# Altium PCB Copy of Main.PcbDoc (part 5 of 6)
Units mm, origin at the board's own origin, x right, y up, seen from the top; angles counter-clockwise.
Board outline 181.65 x 83.38 mm, 6 copper layers (Top Layer, Signal 1, GND, VCC, Signal 2, Bottom Layer), stack 0.816 mm thick; 297 components, 263 nets, 1171 pads, 811 vias.
Unrouted connection lines stored in the file: 292.
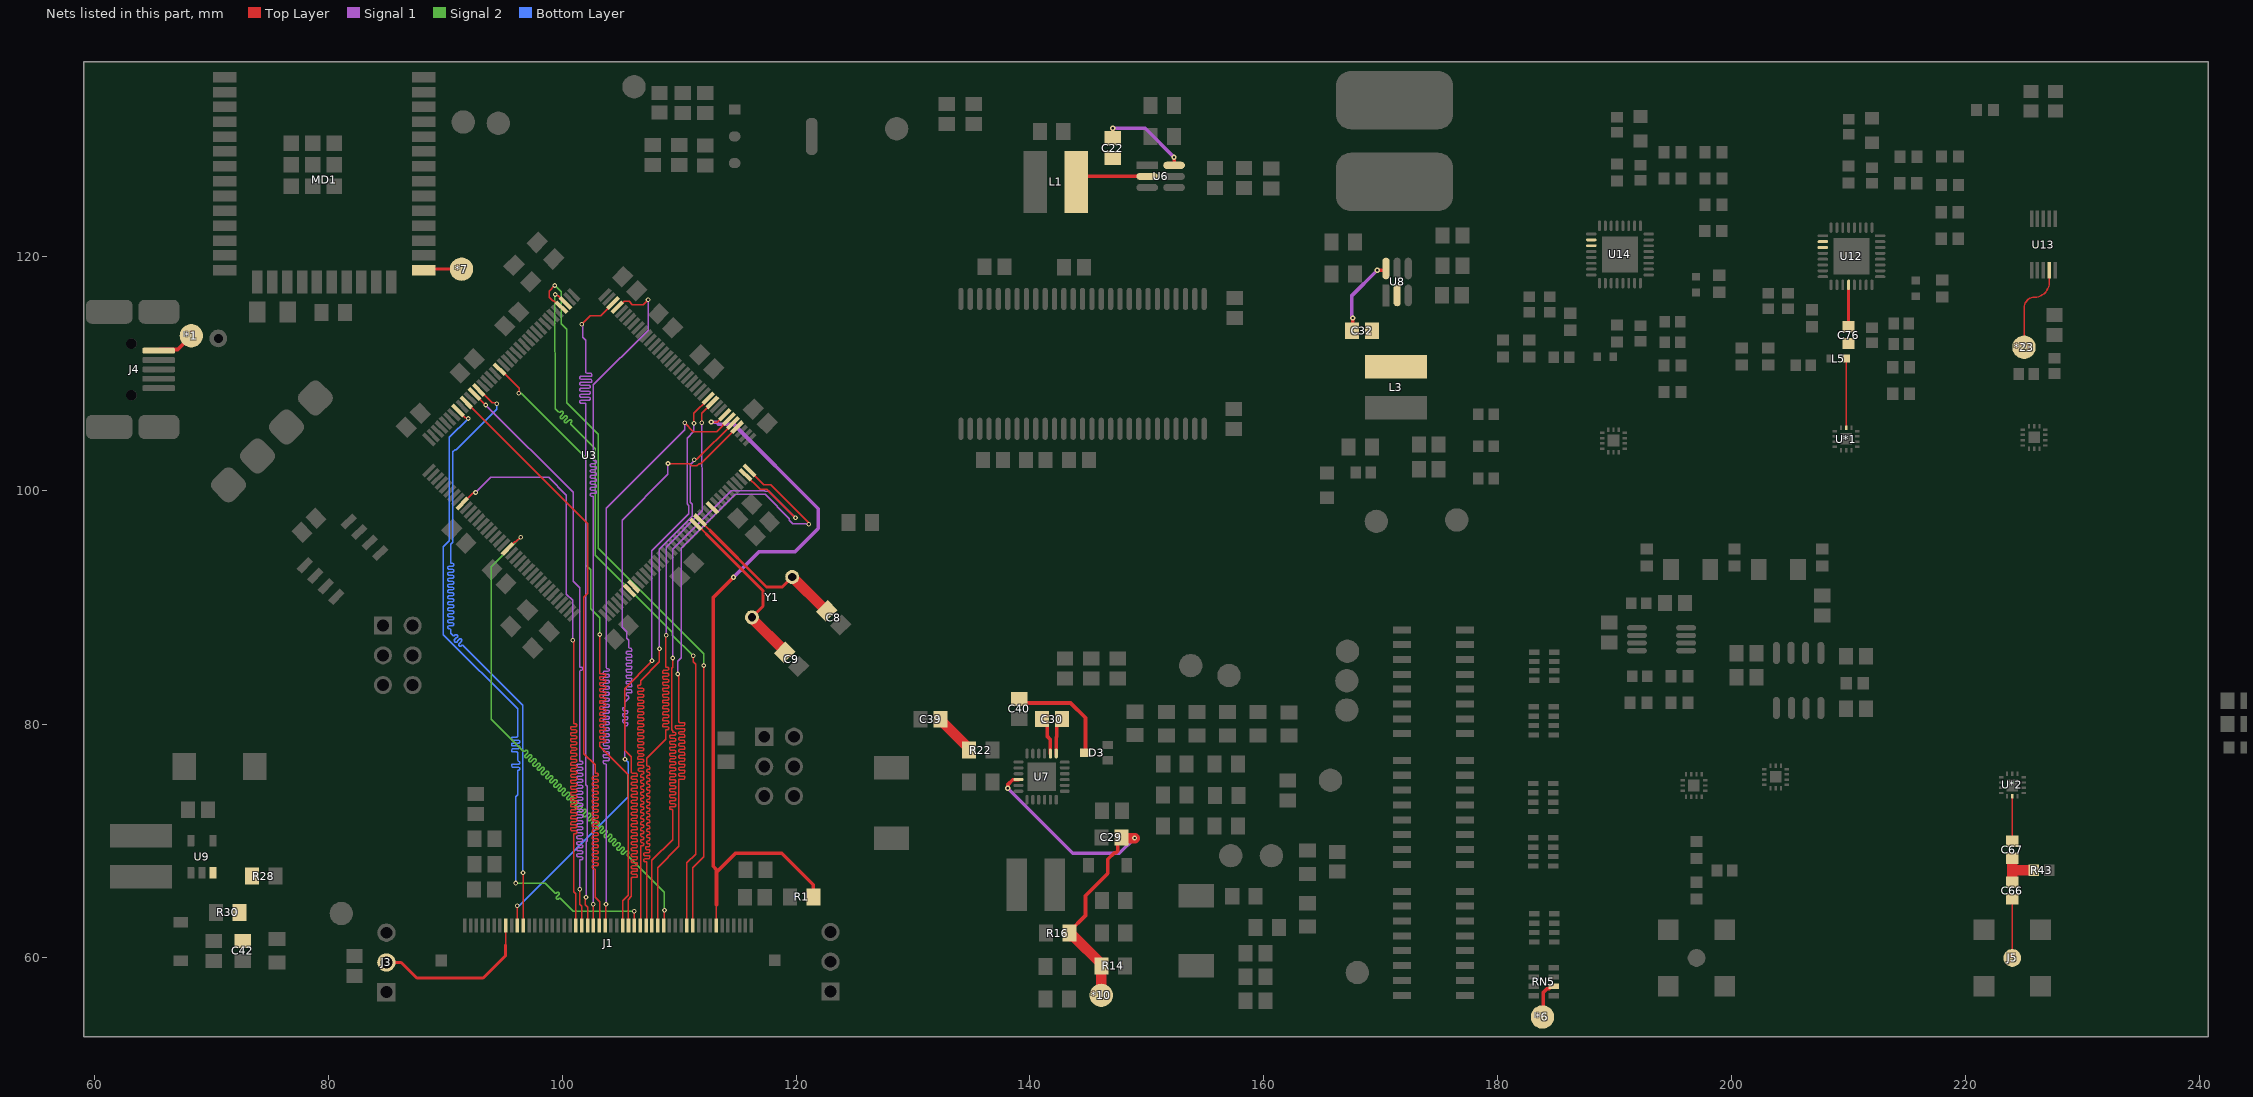
[diagram p8: the nets of this part, all layers, seen from the top]

## Via types
v1: diameter 0.8, hole 0.6, Top Layer to Bottom Layer, tented both sides, 397 vias
v2: diameter 0.45, hole 0.2, Top Layer to Bottom Layer, tented both sides, 228 vias
v3: diameter 0.4, hole 0.2, Top Layer to Bottom Layer, tented both sides, 138 vias
v4: diameter 0.45, hole 0.2, Top Layer to Bottom Layer, 25 vias
v5: diameter 0.5, hole 0.2, Top Layer to Bottom Layer, tented both sides, 23 vias

## Nets (pads, with @x,y where several pads share a name; then routed paths per layer and width w, separated by ;. In a path a pad name is that pad's centre, name@x,y a point inside that pad or via, vN(x,y) a via of type N, cw(c..) or ccw(c..) an arc to the next point about the centre after c; other vN are vias at no path point) (continued)
LCD_G2: J1.25 U3.42 | length 64.2
  Top Layer w0.127: J1.25@103.675,62.775 103.715,62.815 103.715,64.563 v3(103.755,64.603) ; v3(110.475,105.75) 111.225,105 113.2,105 114.257,106.057 U3.42@114.257,106.094
  Signal 1 w0.127: v3(103.755,64.603) 103.755,76.445 103.755,76.556 103.692,76.62 103.565,76.62 103.501,76.683 103.501,76.81 103.565,76.874 103.755,76.874 103.946,76.874 104.009,76.937 104.009,77.064 103.946,77.128 103.755,77.128 103.565,77.128 103.501,77.191 103.501,77.318 103.565,77.382 103.755,77.382 103.946,77.382 104.009,77.445 104.009,77.572 103.946,77.636 103.755,77.636 103.565,77.636 103.501,77.699 103.501,77.826 103.565,77.89 103.755,77.89 103.946,77.89 104.009,77.953 104.009,78.08 103.946,78.144 103.755,78.144 103.565,78.144 103.501,78.207 103.501,78.334 103.565,78.398 103.755,78.398 103.946,78.398 104.009,78.461 104.009,78.588 103.946,78.652 103.755,78.652 103.565,78.652 103.501,78.715 103.501,78.842 103.565,78.906 103.755,78.906 103.946,78.906 104.009,78.969 104.009,79.096 103.946,79.16 103.755,79.16 103.565,79.16 103.501,79.223 103.501,79.35 103.565,79.414 103.755,79.414 103.946,79.414 104.009,79.477 104.009,79.604 103.946,79.668 103.755,79.668 103.565,79.668 103.501,79.731 103.501,79.858 103.565,79.922 103.755,79.922 103.946,79.922 104.009,79.985 104.009,80.112 103.946,80.176 103.755,80.176 103.565,80.176 103.501,80.239 103.501,80.366 103.565,80.43 103.755,80.43 103.946,80.43 104.009,80.493 104.009,80.62 103.946,80.684 103.755,80.684 103.565,80.684 103.501,80.747 103.501,80.874 103.565,80.938 103.755,80.938 103.946,80.938 104.009,81.001 104.009,81.128 103.946,81.192 103.755,81.192 103.565,81.192 103.501,81.255 103.501,81.382 103.565,81.446 103.755,81.446 103.946,81.446 104.009,81.509 104.009,81.636 103.946,81.7 103.755,81.7 103.565,81.7 103.501,81.763 103.501,81.89 103.565,81.954 103.755,81.954 103.946,81.954 104.009,82.017 104.009,82.144 103.946,82.208 103.755,82.208 103.565,82.208 103.501,82.271 103.501,82.398 103.565,82.462 103.755,82.462 103.946,82.462 104.009,82.525 104.009,82.652 103.946,82.716 103.755,82.716 103.565,82.716 103.501,82.779 103.501,82.906 103.565,82.97 103.755,82.97 103.946,82.97 104.009,83.033 104.009,83.16 103.946,83.224 103.755,83.224 103.565,83.224 103.501,83.287 103.501,83.414 103.565,83.478 103.755,83.478 103.946,83.478 104.009,83.541 104.009,83.668 103.946,83.732 103.755,83.732 103.565,83.732 103.501,83.795 103.501,83.922 103.565,83.986 103.755,83.986 103.946,83.986 104.009,84.049 104.009,84.176 103.946,84.24 103.755,84.24 103.565,84.24 103.501,84.303 103.501,84.43 103.565,84.494 103.755,84.494 103.946,84.494 104.009,84.557 104.009,84.684 103.946,84.748 103.819,84.748 103.755,84.811 103.755,84.875 103.755,98.43 110.475,105.15 v3(110.475,105.75)
LCD_G3: J1.24 U3.99 | length 63.5
  Top Layer w0.127: U3.99@91.807,107.508 102.173,97.141 102.173,91.165 101.864,90.855 101.864,77.47 102.825,76.508 102.825,75.9 102.825,75.837 102.888,75.773 103.016,75.773 103.079,75.71 103.079,75.583 103.016,75.519 102.825,75.519 102.634,75.519 102.571,75.456 102.571,75.329 102.634,75.265 102.825,75.265 103.016,75.265 103.079,75.202 103.079,75.075 103.016,75.011 102.825,75.011 102.634,75.011 102.571,74.948 102.571,74.821 102.634,74.757 102.825,74.757 103.016,74.757 103.079,74.694 103.079,74.567 103.016,74.503 102.825,74.503 102.634,74.503 102.571,74.44 102.571,74.313 102.634,74.249 102.825,74.249 103.016,74.249 103.079,74.186 103.079,74.059 103.016,73.995 102.825,73.995 102.634,73.995 102.571,73.932 102.571,73.805 102.634,73.741 102.825,73.741 103.016,73.741 103.079,73.678 103.079,73.551 103.016,73.487 102.825,73.487 102.634,73.487 102.571,73.424 102.571,73.297 102.634,73.233 102.825,73.233 103.016,73.233 103.079,73.17 103.079,73.043 103.016,72.979 102.825,72.979 102.634,72.979 102.571,72.916 102.571,72.789 102.634,72.725 102.825,72.725 103.016,72.725 103.079,72.662 103.079,72.535 103.016,72.471 102.825,72.471 102.634,72.471 102.571,72.408 102.571,72.281 102.634,72.217 102.825,72.217 103.016,72.217 103.079,72.154 103.079,72.027 103.016,71.963 102.825,71.963 102.634,71.963 102.571,71.9 102.571,71.773 102.634,71.709 102.825,71.709 103.016,71.709 103.079,71.646 103.079,71.519 103.016,71.455 102.825,71.455 102.634,71.455 102.571,71.392 102.571,71.265 102.634,71.201 102.825,71.201 103.016,71.201 103.079,71.138 103.079,71.011 103.016,70.947 102.825,70.947 102.634,70.947 102.571,70.884 102.571,70.757 102.634,70.693 102.825,70.693 103.016,70.693 103.079,70.63 103.079,70.503 103.016,70.439 102.825,70.439 102.634,70.439 102.571,70.376 102.571,70.249 102.634,70.185 102.825,70.185 103.016,70.185 103.079,70.122 103.079,69.995 103.016,69.931 102.825,69.931 102.634,69.931 102.571,69.868 102.571,69.741 102.634,69.677 102.825,69.677 103.016,69.677 103.079,69.614 103.079,69.487 103.016,69.423 102.825,69.423 102.634,69.423 102.571,69.36 102.571,69.233 102.634,69.169 102.825,69.169 103.016,69.169 103.079,69.106 103.079,68.979 103.016,68.915 102.825,68.915 102.634,68.915 102.571,68.852 102.571,68.725 102.634,68.661 102.825,68.661 103.016,68.661 103.079,68.598 103.079,68.471 103.016,68.407 102.825,68.407 102.634,68.407 102.571,68.344 102.571,68.217 102.634,68.153 102.825,68.153 103.016,68.153 103.079,68.09 103.079,67.963 103.016,67.899 102.825,67.899 102.634,67.899 102.571,67.836 102.571,67.709 102.634,67.645 102.761,67.645 102.825,67.582 102.825,67.5 102.825,65.182 103.217,64.789 103.217,62.817 J1.24@103.175,62.775
LCD_G4: J1.23 U3.69 | length 63.7
  Top Layer w0.127: J1.23@102.675,62.775 v3(102.673,64.583) ; U3.69@104.711,115.64 104.798,115.64 105.309,116.151 105.72,116.151 106.004,115.866 106.941,115.866 v3(107.35,116.275)
  Signal 1 w0.127: v3(102.673,64.583) 102.673,99.45 102.647,99.477 102.483,99.477 102.419,99.54 102.419,99.667 102.483,99.731 102.673,99.731 102.864,99.731 102.927,99.794 102.927,99.921 102.864,99.985 102.673,99.985 102.483,99.985 102.419,100.048 102.419,100.175 102.483,100.239 102.673,100.239 102.864,100.239 102.927,100.302 102.927,100.429 102.864,100.493 102.673,100.493 102.483,100.493 102.419,100.556 102.419,100.683 102.483,100.747 102.673,100.747 102.864,100.747 102.927,100.81 102.927,100.937 102.864,101.001 102.673,101.001 102.483,101.001 102.419,101.064 102.419,101.191 102.483,101.255 102.673,101.255 102.864,101.255 102.927,101.318 102.927,101.445 102.864,101.509 102.673,101.509 102.483,101.509 102.419,101.572 102.419,101.699 102.483,101.763 102.673,101.763 102.864,101.763 102.927,101.826 102.927,101.953 102.864,102.017 102.673,102.017 102.483,102.017 102.419,102.08 102.419,102.207 102.483,102.271 102.673,102.271 102.864,102.271 102.927,102.334 102.927,102.461 102.864,102.525 102.737,102.525 102.673,102.588 102.673,102.652 102.673,108.998 107.35,113.675 v3(107.35,116.275)
LCD_G5: J1.22 U3.70 | length 63.7
  Top Layer w0.127: v3(101.68,114.181) 102.418,114.918 103.283,114.918 U3.70@104.358,115.993 ; v3(102.044,65.189) 101.992,65.137 101.992,64.807 101.983,64.797 101.983,64.542 102.183,64.342 102.183,62.782 J1.22@102.175,62.775
  Signal 1 w0.127: v3(101.68,114.181) 101.758,114.103 101.758,113.092 102.025,112.825 102.025,110.106 102.025,110.043 102.089,109.979 102.47,109.979 102.533,109.916 102.533,109.789 102.47,109.725 102.025,109.725 101.581,109.725 101.517,109.662 101.517,109.535 101.581,109.471 102.025,109.471 102.47,109.471 102.533,109.408 102.533,109.281 102.47,109.217 102.025,109.217 101.581,109.217 101.517,109.154 101.517,109.027 101.581,108.963 102.025,108.963 102.333,108.963 102.396,108.9 102.396,108.773 102.333,108.709 102.025,108.709 101.581,108.709 101.517,108.646 101.517,108.519 101.581,108.455 102.025,108.455 102.333,108.455 102.396,108.392 102.396,108.265 102.333,108.201 102.025,108.201 101.581,108.201 101.517,108.138 101.517,108.011 101.581,107.947 102.025,107.947 102.333,107.947 102.396,107.884 102.396,107.757 102.333,107.693 102.025,107.693 101.581,107.693 101.517,107.63 101.517,107.503 101.581,107.439 101.962,107.439 102.025,107.376 102.025,107.3 102.025,74.8 102.15,74.675 102.15,70.022 102.044,69.916 v3(102.044,65.189) v3@102.025,65.208
LCD_G6: J1.21 U3.97 | length 63.4
  Top Layer w0.127: U3.97@92.514,108.215 93.454,107.275 v3(93.475,107.275) ; v3(101.505,65.878) 101.505,64.585 101.675,64.414 J1.21@101.675,62.775
  Signal 1 w0.127: v3(93.475,107.275) 100.95,99.8 100.95,92.216 101.505,91.661 101.505,84.975 101.505,84.911 101.568,84.848 101.685,84.848 101.748,84.784 101.748,84.657 101.685,84.594 101.568,84.594 101.505,84.53 101.505,84.525 101.505,76.925 101.505,76.861 101.568,76.798 101.685,76.798 101.748,76.734 101.748,76.607 101.685,76.544 101.505,76.544 101.314,76.544 101.251,76.48 101.251,76.353 101.314,76.29 101.505,76.29 101.685,76.29 101.748,76.226 101.748,76.099 101.685,76.036 101.505,76.036 101.314,76.036 101.251,75.972 101.251,75.845 101.314,75.782 101.505,75.782 101.685,75.782 101.748,75.718 101.748,75.591 101.685,75.528 101.505,75.528 101.314,75.528 101.251,75.464 101.251,75.337 101.314,75.274 101.505,75.274 101.685,75.274 101.748,75.21 101.748,75.083 101.685,75.02 101.505,75.02 101.314,75.02 101.251,74.956 101.251,74.829 101.314,74.766 101.505,74.766 101.685,74.766 101.748,74.702 101.748,74.575 101.685,74.512 101.505,74.512 101.314,74.512 101.251,74.448 101.251,74.321 101.314,74.258 101.505,74.258 101.685,74.258 101.748,74.194 101.748,74.067 101.685,74.004 101.505,74.004 101.314,74.004 101.251,73.94 101.251,73.813 101.314,73.75 101.505,73.75 101.685,73.75 101.748,73.686 101.748,73.559 101.685,73.496 101.505,73.496 101.314,73.496 101.251,73.432 101.251,73.305 101.314,73.242 101.505,73.242 101.685,73.242 101.748,73.178 101.748,73.051 101.685,72.988 101.505,72.988 101.314,72.988 101.251,72.924 101.251,72.797 101.314,72.734 101.505,72.734 101.685,72.734 101.748,72.67 101.748,72.543 101.685,72.48 101.505,72.48 101.314,72.48 101.251,72.416 101.251,72.289 101.314,72.226 101.505,72.226 101.685,72.226 101.748,72.162 101.748,72.035 101.685,71.972 101.505,71.972 101.314,71.972 101.251,71.908 101.251,71.781 101.314,71.718 101.505,71.718 101.685,71.718 101.748,71.654 101.748,71.527 101.685,71.464 101.505,71.464 101.314,71.464 101.251,71.4 101.251,71.273 101.314,71.21 101.505,71.21 101.685,71.21 101.748,71.146 101.748,71.019 101.685,70.956 101.505,70.956 101.314,70.956 101.251,70.892 101.251,70.765 101.314,70.702 101.505,70.702 101.685,70.702 101.748,70.638 101.748,70.511 101.685,70.448 101.505,70.448 101.314,70.448 101.251,70.384 101.251,70.257 101.314,70.194 101.505,70.194 101.685,70.194 101.748,70.13 101.748,70.003 101.685,69.94 101.505,69.94 101.314,69.94 101.251,69.876 101.251,69.749 101.314,69.686 101.505,69.686 101.685,69.686 101.748,69.622 101.748,69.495 101.685,69.432 101.505,69.432 101.314,69.432 101.251,69.368 101.251,69.241 101.314,69.178 101.505,69.178 101.685,69.178 101.748,69.114 101.748,68.987 101.685,68.924 101.505,68.924 101.314,68.924 101.251,68.86 101.251,68.733 101.314,68.67 101.505,68.67 101.685,68.67 101.748,68.606 101.748,68.479 101.685,68.416 101.568,68.416 101.505,68.352 101.505,68.275 v3(101.505,65.878)
LCD_G7: J1.20 U3.117 | length 63.7
  Top Layer w0.127: U3.117@91.453,98.846 92.355,99.748 92.548,99.748 v3(92.6,99.8) ; v3(100.9,87.175) 100.925,87.175 101.025,87.075 100.987,87.037 100.987,80.15 100.987,80.086 101.051,80.023 101.178,80.023 101.241,79.959 101.241,79.832 101.178,79.769 100.987,79.769 100.797,79.769 100.733,79.705 100.733,79.578 100.797,79.515 100.987,79.515 101.178,79.515 101.241,79.451 101.241,79.324 101.178,79.261 100.987,79.261 100.797,79.261 100.733,79.197 100.733,79.07 100.797,79.007 100.987,79.007 101.178,79.007 101.241,78.943 101.241,78.816 101.178,78.753 100.987,78.753 100.797,78.753 100.733,78.689 100.733,78.562 100.797,78.499 100.987,78.499 101.178,78.499 101.241,78.435 101.241,78.308 101.178,78.245 100.987,78.245 100.797,78.245 100.733,78.181 100.733,78.054 100.797,77.991 100.987,77.991 101.178,77.991 101.241,77.927 101.241,77.8 101.178,77.737 100.987,77.737 100.797,77.737 100.733,77.673 100.733,77.546 100.797,77.483 100.987,77.483 101.178,77.483 101.241,77.419 101.241,77.292 101.178,77.229 100.987,77.229 100.797,77.229 100.733,77.165 100.733,77.038 100.797,76.975 100.987,76.975 101.178,76.975 101.241,76.911 101.241,76.784 101.178,76.721 100.987,76.721 100.797,76.721 100.733,76.657 100.733,76.53 100.797,76.467 100.987,76.467 101.178,76.467 101.241,76.403 101.241,76.276 101.178,76.213 100.987,76.213 100.797,76.213 100.733,76.149 100.733,76.022 100.797,75.959 100.987,75.959 101.178,75.959 101.241,75.895 101.241,75.768 101.178,75.705 100.987,75.705 100.797,75.705 100.733,75.641 100.733,75.514 100.797,75.451 100.987,75.451 101.178,75.451 101.241,75.387 101.241,75.26 101.178,75.197 100.987,75.197 100.797,75.197 100.733,75.133 100.733,75.006 100.797,74.943 100.987,74.943 101.178,74.943 101.241,74.879 101.241,74.752 101.178,74.689 100.987,74.689 100.797,74.689 100.733,74.625 100.733,74.498 100.797,74.435 100.987,74.435 101.178,74.435 101.241,74.371 101.241,74.244 101.178,74.181 100.987,74.181 100.797,74.181 100.733,74.117 100.733,73.99 100.797,73.927 100.987,73.927 101.178,73.927 101.241,73.863 101.241,73.736 101.178,73.673 100.987,73.673 100.797,73.673 100.733,73.609 100.733,73.482 100.797,73.419 100.987,73.419 101.178,73.419 101.241,73.355 101.241,73.228 101.178,73.165 100.987,73.165 100.797,73.165 100.733,73.101 100.733,72.974 100.797,72.911 100.987,72.911 101.178,72.911 101.241,72.847 101.241,72.72 101.178,72.657 100.987,72.657 100.797,72.657 100.733,72.593 100.733,72.466 100.797,72.403 100.987,72.403 101.178,72.403 101.241,72.339 101.241,72.212 101.178,72.149 100.987,72.149 100.797,72.149 100.733,72.085 100.733,71.958 100.797,71.895 100.987,71.895 101.178,71.895 101.241,71.831 101.241,71.704 101.178,71.641 100.987,71.641 100.797,71.641 100.733,71.577 100.733,71.45 100.797,71.387 100.987,71.387 101.178,71.387 101.241,71.323 101.241,71.196 101.178,71.133 100.987,71.133 100.797,71.133 100.733,71.069 100.733,70.942 100.797,70.879 100.987,70.879 101.178,70.879 101.241,70.815 101.241,70.688 101.178,70.625 101.012,70.625 100.987,70.6 100.987,65.664 101.175,65.476 J1.20@101.175,62.775
  Signal 1 w0.127: v3(92.6,99.8) 93.9,101.1 98.85,101.1 100.368,99.582 100.368,91.107 100.9,90.575 v3(100.9,87.175)
LCD_HS: J1.11 U3.96 | length 62
  Top Layer w0.127: U3.96@92.867,108.568 92.913,108.568 94.03,107.452 94.348,107.452 v3(94.4,107.4) ; v3(96.65,67.275) 96.668,67.257 96.668,62.782 J1.11@96.675,62.775
  Bottom Layer w0.127: v3(94.4,107.4) 94.4,106.918 90.95,103.468 90.843,103.468 90.644,103.27 90.644,95.561 90.475,95.391 90.475,93.875 90.475,93.811 90.539,93.748 90.666,93.748 90.729,93.684 90.729,93.557 90.666,93.494 90.475,93.494 90.284,93.494 90.221,93.43 90.221,93.303 90.284,93.24 90.475,93.24 90.666,93.24 90.729,93.176 90.729,93.049 90.666,92.986 90.475,92.986 90.284,92.986 90.221,92.922 90.221,92.795 90.284,92.732 90.475,92.732 90.666,92.732 90.729,92.668 90.729,92.541 90.666,92.478 90.475,92.478 90.284,92.478 90.221,92.414 90.221,92.287 90.284,92.224 90.475,92.224 90.666,92.224 90.729,92.16 90.729,92.033 90.666,91.97 90.475,91.97 90.284,91.97 90.221,91.906 90.221,91.779 90.284,91.716 90.475,91.716 90.666,91.716 90.729,91.652 90.729,91.525 90.666,91.462 90.475,91.462 90.284,91.462 90.221,91.398 90.221,91.271 90.284,91.208 90.475,91.208 90.666,91.208 90.729,91.144 90.729,91.017 90.666,90.954 90.475,90.954 90.284,90.954 90.221,90.89 90.221,90.763 90.284,90.7 90.475,90.7 90.666,90.7 90.729,90.636 90.729,90.509 90.666,90.446 90.475,90.446 90.284,90.446 90.221,90.382 90.221,90.255 90.284,90.192 90.475,90.192 90.666,90.192 90.729,90.128 90.729,90.001 90.666,89.938 90.475,89.938 90.284,89.938 90.221,89.874 90.221,89.747 90.284,89.684 90.475,89.684 90.666,89.684 90.729,89.62 90.729,89.493 90.666,89.43 90.475,89.43 90.284,89.43 90.221,89.366 90.221,89.239 90.284,89.176 90.475,89.176 90.666,89.176 90.729,89.112 90.729,88.985 90.666,88.922 90.475,88.922 90.284,88.922 90.221,88.858 90.221,88.731 90.284,88.668 90.475,88.668 90.666,88.668 90.729,88.604 90.729,88.477 90.666,88.414 90.475,88.414 90.284,88.414 90.221,88.35 90.221,88.223 90.284,88.16 90.412,88.16 90.475,88.096 90.475,87.906 90.475,87.775 90.565,87.685 90.7,87.55 90.789,87.55 90.879,87.64 90.969,87.64 91.059,87.55 91.059,87.461 90.924,87.326 90.789,87.191 90.789,87.101 90.879,87.012 90.969,87.012 91.104,87.146 91.238,87.281 91.328,87.281 91.418,87.191 91.418,87.101 91.283,86.967 91.149,86.832 91.149,86.742 91.238,86.652 91.328,86.652 91.418,86.742 91.508,86.742 91.6,86.65 96.65,81.6 v3(96.65,67.275)
LCD_L/R: J1.39 U3.75 | length 62.6
  Top Layer w0.127: v3(99.4,116.725) 99.474,116.725 99.594,116.605 99.68,116.605 U3.75@100.292,115.993 ; J1.39@110.675,62.775 110.675,68.125 111.431,68.881 111.431,85.101 111.2,85.332 v3(111.2,85.825)
  Signal 2 w0.127: v3(99.4,116.725) 99.362,116.687 99.362,111.828 99.425,111.766 99.425,106.95 99.687,106.688 99.732,106.643 99.822,106.643 99.912,106.732 100.002,106.732 100.092,106.643 100.092,106.553 99.957,106.418 99.822,106.283 99.822,106.194 99.912,106.104 100.002,106.104 100.137,106.238 100.271,106.373 100.361,106.373 100.451,106.283 100.451,106.194 100.316,106.059 100.181,105.924 100.181,105.834 100.271,105.745 100.361,105.745 100.496,105.879 100.63,106.014 100.72,106.014 100.81,105.924 100.81,105.834 100.72,105.745 100.72,105.655 100.725,105.65 102.825,103.55 102.825,94.425 109.418,87.832 109.418,87.608 v3(111.2,85.825)
LCD_MODE: J1.8 J3.2 | length 14.1
  Top Layer w0.127: 95.175,61.1 J1.8@95.175,62.775
  Top Layer w0.254: J3.2@84.975,59.615 86.235,59.615 87.575,58.275 93.25,58.275 95.175,60.2 95.175,61.1
LCD_R0: J1.35 U3.128 | length 63.1
  Top Layer w0.127: U3.128@95.342,94.957 95.954,95.569 96.044,95.569 v3(96.45,95.975) ; J1.35@108.675,62.775 108.713,62.812 108.713,64.038 v3(108.75,64.075)
  Signal 2 w0.127: v3(96.45,95.975) 93.932,93.457 93.932,80.417 96.65,77.7 96.695,77.655 96.785,77.655 96.875,77.745 96.964,77.745 97.054,77.655 97.054,77.565 96.919,77.431 96.785,77.296 96.785,77.206 96.875,77.116 96.964,77.116 97.099,77.251 97.234,77.386 97.324,77.386 97.413,77.296 97.413,77.206 97.279,77.071 97.144,76.937 97.144,76.847 97.234,76.757 97.324,76.757 97.458,76.892 97.593,77.026 97.683,77.026 97.773,76.937 97.773,76.847 97.638,76.712 97.503,76.577 97.503,76.488 97.593,76.398 97.683,76.398 97.817,76.533 97.952,76.667 98.042,76.667 98.132,76.577 98.132,76.488 97.997,76.353 97.862,76.218 97.862,76.128 97.952,76.039 98.042,76.039 98.177,76.173 98.311,76.308 98.401,76.308 98.491,76.218 98.491,76.128 98.356,75.994 98.222,75.859 98.222,75.769 98.311,75.679 98.401,75.679 98.536,75.814 98.671,75.949 98.76,75.949 98.85,75.859 98.85,75.769 98.715,75.635 98.581,75.5 98.581,75.41 98.671,75.32 98.76,75.32 98.895,75.455 99.03,75.59 99.12,75.59 99.209,75.5 99.209,75.41 99.075,75.275 98.94,75.141 98.94,75.051 99.03,74.961 99.12,74.961 99.254,75.096 99.389,75.23 99.479,75.23 99.569,75.141 99.569,75.051 99.434,74.916 99.299,74.781 99.299,74.692 99.389,74.602 99.479,74.602 99.613,74.737 99.748,74.871 99.838,74.871 99.928,74.781 99.928,74.692 99.793,74.557 99.658,74.422 99.658,74.332 99.748,74.243 99.838,74.243 99.973,74.377 100.107,74.512 100.197,74.512 100.287,74.422 100.287,74.332 100.152,74.198 100.018,74.063 100.018,73.973 100.107,73.883 100.197,73.883 100.332,74.018 100.467,74.153 100.556,74.153 100.646,74.063 100.646,73.973 100.512,73.838 100.377,73.704 100.377,73.614 100.467,73.524 100.556,73.524 100.691,73.659 100.826,73.794 100.916,73.794 101.005,73.704 101.005,73.614 100.871,73.479 100.736,73.345 100.736,73.255 100.826,73.165 100.916,73.165 101.05,73.3 101.185,73.434 101.275,73.434 101.365,73.345 101.365,73.255 101.23,73.12 101.095,72.985 101.095,72.896 101.185,72.806 101.275,72.806 101.41,72.94 101.544,73.075 101.634,73.075 101.724,72.985 101.724,72.896 101.589,72.761 101.454,72.626 101.454,72.536 101.544,72.447 101.634,72.447 101.769,72.581 101.903,72.716 101.993,72.716 102.083,72.626 102.083,72.536 101.948,72.402 101.814,72.267 101.814,72.177 101.903,72.087 101.993,72.087 102.128,72.222 102.263,72.357 102.352,72.357 102.442,72.267 102.442,72.177 102.308,72.042 102.173,71.908 102.173,71.818 102.263,71.728 102.352,71.728 102.487,71.863 102.622,71.998 102.712,71.998 102.801,71.908 102.801,71.818 102.667,71.683 102.532,71.549 102.532,71.459 102.622,71.369 102.712,71.369 102.846,71.504 102.981,71.638 103.071,71.638 103.161,71.549 103.161,71.459 103.026,71.324 102.891,71.189 102.891,71.1 102.981,71.01 103.071,71.01 103.206,71.144 103.34,71.279 103.43,71.279 103.52,71.189 103.52,71.1 103.385,70.965 103.25,70.83 103.25,70.74 103.34,70.65 103.43,70.65 103.565,70.785 103.7,70.92 103.789,70.92 103.879,70.83 103.879,70.74 103.744,70.606 103.61,70.471 103.61,70.381 103.699,70.291 103.789,70.291 103.924,70.426 104.059,70.561 104.149,70.561 104.238,70.471 104.238,70.381 104.104,70.246 103.969,70.112 103.969,70.022 104.059,69.932 104.149,69.932 104.283,70.067 104.418,70.201 104.508,70.201 104.598,70.112 104.598,70.022 104.463,69.887 104.328,69.752 104.328,69.663 104.418,69.573 104.508,69.573 104.642,69.708 104.777,69.842 104.867,69.842 104.957,69.752 104.957,69.663 104.822,69.528 104.687,69.393 104.687,69.303 104.777,69.214 104.867,69.214 105.002,69.348 105.136,69.483 105.226,69.483 105.316,69.393 105.316,69.303 105.181,69.169 105.047,69.034 105.047,68.944 105.136,68.854 105.226,68.854 105.361,68.989 105.496,69.124 105.585,69.124 105.675,69.034 105.675,68.944 105.585,68.854 105.585,68.765 105.648,68.702 108.75,65.6 v3(108.75,64.075)
LCD_R1: J1.34 U3.36 | length 63.5
  Top Layer w0.127: J1.34@108.175,62.775 108.175,67.725 109.981,69.531 109.981,75.275 110.003,75.297 110.426,75.297 110.489,75.36 110.489,75.487 110.426,75.551 110.045,75.551 109.981,75.614 109.981,75.741 110.045,75.805 110.426,75.805 110.489,75.868 110.489,75.995 110.426,76.059 110.045,76.059 109.981,76.122 109.981,76.249 110.045,76.313 110.426,76.313 110.489,76.376 110.489,76.503 110.426,76.567 110.045,76.567 109.981,76.63 109.981,76.757 110.045,76.821 110.426,76.821 110.489,76.884 110.489,77.011 110.426,77.075 110.045,77.075 109.981,77.138 109.981,77.265 110.045,77.329 110.426,77.329 110.489,77.392 110.489,77.519 110.426,77.583 110.045,77.583 109.981,77.646 109.981,77.773 110.045,77.837 110.426,77.837 110.489,77.9 110.489,78.027 110.426,78.091 110.045,78.091 109.981,78.154 109.981,78.281 110.045,78.345 110.426,78.345 110.489,78.408 110.489,78.535 110.426,78.599 110.045,78.599 109.981,78.662 109.981,78.789 110.045,78.853 110.426,78.853 110.489,78.916 110.489,79.043 110.426,79.107 110.045,79.107 109.981,79.17 109.981,79.297 110.045,79.361 110.426,79.361 110.489,79.424 110.489,79.551 110.426,79.615 109.981,79.615 109.723,79.615 109.659,79.678 109.659,79.805 109.723,79.869 109.981,79.869 110.426,79.869 110.489,79.932 110.489,80.059 110.426,80.123 110.045,80.123 109.981,80.186 109.981,80.25 109.981,84.194 v3(109.9,84.275) ; U3.36@116.025,101.674 117.224,100.475 117.832,100.475 121.048,97.259 121.048,97.127 v3(121.1,97.075)
  Signal 1 w0.127: v3(109.9,84.275) 109.9,85.368 110.182,85.651 110.182,95.039 114.79,99.647 117.349,99.647 119.432,97.564 119.432,97.411 119.736,97.107 121.067,97.107 v3(121.1,97.075)
LCD_R2: J1.33 U3.35 | length 63.5
  Top Layer w0.127: J1.33@107.675,62.775 107.675,68.351 109.45,70.126 109.45,72.5 109.45,72.63 109.386,72.694 109.259,72.694 109.196,72.757 109.196,72.884 109.259,72.948 109.45,72.948 109.641,72.948 109.704,73.011 109.704,73.138 109.641,73.202 109.45,73.202 109.259,73.202 109.196,73.265 109.196,73.392 109.259,73.456 109.45,73.456 109.641,73.456 109.704,73.519 109.704,73.646 109.641,73.71 109.45,73.71 109.259,73.71 109.196,73.773 109.196,73.9 109.259,73.964 109.45,73.964 109.641,73.964 109.704,74.027 109.704,74.154 109.641,74.218 109.45,74.218 109.259,74.218 109.196,74.281 109.196,74.408 109.259,74.472 109.45,74.472 109.641,74.472 109.704,74.535 109.704,74.662 109.641,74.726 109.45,74.726 109.259,74.726 109.196,74.789 109.196,74.916 109.259,74.98 109.45,74.98 109.641,74.98 109.704,75.043 109.704,75.17 109.641,75.234 109.45,75.234 109.259,75.234 109.196,75.297 109.196,75.424 109.259,75.488 109.45,75.488 109.641,75.488 109.704,75.551 109.704,75.678 109.641,75.742 109.45,75.742 109.259,75.742 109.196,75.805 109.196,75.932 109.259,75.996 109.45,75.996 109.641,75.996 109.704,76.059 109.704,76.186 109.641,76.25 109.45,76.25 109.259,76.25 109.196,76.313 109.196,76.44 109.259,76.504 109.45,76.504 109.641,76.504 109.704,76.567 109.704,76.694 109.641,76.758 109.45,76.758 109.259,76.758 109.196,76.821 109.196,76.948 109.259,77.012 109.45,77.012 109.641,77.012 109.704,77.075 109.704,77.202 109.641,77.266 109.45,77.266 109.259,77.266 109.196,77.329 109.196,77.456 109.259,77.52 109.45,77.52 109.641,77.52 109.704,77.583 109.704,77.71 109.641,77.774 109.45,77.774 109.259,77.774 109.196,77.837 109.196,77.964 109.259,78.028 109.45,78.028 109.641,78.028 109.704,78.091 109.704,78.218 109.641,78.282 109.45,78.282 109.259,78.282 109.196,78.345 109.196,78.472 109.259,78.536 109.45,78.536 109.641,78.536 109.704,78.599 109.704,78.726 109.641,78.79 109.45,78.79 109.259,78.79 109.196,78.853 109.196,78.98 109.259,79.044 109.45,79.044 109.641,79.044 109.704,79.107 109.704,79.234 109.641,79.298 109.513,79.298 109.45,79.361 109.45,79.425 109.383,79.492 109.383,84.785 109.45,84.852 v3(109.45,85.65) ; U3.35@115.672,101.321 116.927,100.066 117.509,100.066 v3(119.95,97.625)
  Signal 1 w0.127: v3(109.45,85.65) 109.45,94.95 114.445,99.945 117.305,99.945 117.325,99.925 117.65,99.925 v3(119.95,97.625)
LCD_R3: J1.32 U3.46 | length 63.1
  Top Layer w0.127: J1.32@107.175,62.775 107.241,62.841 107.241,68.175 107.241,68.181 107.177,68.245 107.05,68.245 106.987,68.308 106.987,68.435 107.05,68.499 107.241,68.499 107.431,68.499 107.495,68.562 107.495,68.689 107.431,68.753 107.241,68.753 107.05,68.753 106.987,68.816 106.987,68.943 107.05,69.007 107.241,69.007 107.431,69.007 107.495,69.07 107.495,69.197 107.431,69.261 107.241,69.261 107.202,69.261 107.139,69.324 107.139,69.451 107.202,69.515 107.241,69.515 107.431,69.515 107.495,69.578 107.495,69.705 107.431,69.769 107.304,69.769 107.241,69.832 107.241,69.959 107.304,70.023 107.431,70.023 107.495,70.086 107.495,70.213 107.431,70.277 107.304,70.277 107.241,70.34 107.241,70.467 107.304,70.531 107.431,70.531 107.495,70.594 107.495,70.721 107.431,70.785 107.304,70.785 107.241,70.848 107.241,70.975 107.304,71.039 107.431,71.039 107.495,71.102 107.495,71.229 107.431,71.293 107.304,71.293 107.241,71.356 107.241,71.483 107.304,71.547 107.431,71.547 107.495,71.61 107.495,71.737 107.431,71.801 107.304,71.801 107.241,71.864 107.241,71.991 107.304,72.055 107.431,72.055 107.495,72.118 107.495,72.245 107.431,72.309 107.304,72.309 107.241,72.372 107.241,72.499 107.304,72.563 107.431,72.563 107.495,72.626 107.495,72.753 107.431,72.817 107.304,72.817 107.241,72.88 107.241,73.007 107.304,73.071 107.431,73.071 107.495,73.134 107.495,73.261 107.431,73.325 107.304,73.325 107.241,73.388 107.241,73.515 107.304,73.579 107.431,73.579 107.495,73.642 107.495,73.769 107.431,73.833 107.304,73.833 107.241,73.896 107.241,74.023 107.304,74.087 107.431,74.087 107.495,74.15 107.495,74.277 107.431,74.341 107.304,74.341 107.241,74.404 107.241,74.531 107.304,74.595 107.431,74.595 107.495,74.658 107.495,74.785 107.431,74.849 107.304,74.849 107.241,74.912 107.241,75.039 107.304,75.103 107.431,75.103 107.495,75.166 107.495,75.293 107.431,75.357 107.304,75.357 107.241,75.42 107.241,75.547 107.304,75.611 107.431,75.611 107.495,75.674 107.495,75.801 107.431,75.865 107.304,75.865 107.241,75.928 107.241,76.055 107.304,76.119 107.431,76.119 107.495,76.182 107.495,76.309 107.431,76.373 107.304,76.373 107.241,76.436 107.241,76.5 107.241,77.091 108.85,78.7 108.85,79.5 108.864,79.514 109.041,79.514 109.104,79.577 109.104,79.704 109.041,79.768 108.85,79.768 108.659,79.768 108.596,79.831 108.596,79.958 108.659,80.022 108.85,80.022 109.041,80.022 109.104,80.085 109.104,80.212 109.041,80.276 108.85,80.276 108.659,80.276 108.596,80.339 108.596,80.466 108.659,80.53 108.85,80.53 109.041,80.53 109.104,80.593 109.104,80.72 109.041,80.784 108.85,80.784 108.659,80.784 108.596,80.847 108.596,80.974 108.659,81.038 108.85,81.038 109.041,81.038 109.104,81.101 109.104,81.228 109.041,81.292 108.85,81.292 108.659,81.292 108.596,81.355 108.596,81.482 108.659,81.546 108.85,81.546 109.041,81.546 109.104,81.609 109.104,81.736 109.041,81.8 108.85,81.8 108.659,81.8 108.596,81.863 108.596,81.99 108.659,82.054 108.85,82.054 109.041,82.054 109.104,82.117 109.104,82.244 109.041,82.308 108.85,82.308 108.659,82.308 108.596,82.371 108.596,82.498 108.659,82.562 108.85,82.562 109.041,82.562 109.104,82.625 109.104,82.752 109.041,82.816 108.85,82.816 108.659,82.816 108.596,82.879 108.596,83.006 108.659,83.07 108.85,83.07 109.041,83.07 109.104,83.133 109.104,83.26 109.041,83.324 108.85,83.324 108.659,83.324 108.596,83.387 108.596,83.514 108.659,83.578 108.85,83.578 109.041,83.578 109.104,83.641 109.104,83.768 109.041,83.832 108.85,83.832 108.659,83.832 108.596,83.895 108.596,84.022 108.659,84.086 108.85,84.086 109.041,84.086 109.104,84.149 109.104,84.276 109.041,84.34 108.85,84.34 108.659,84.34 108.596,84.403 108.596,84.53 108.659,84.594 108.85,84.594 109.041,84.594 109.104,84.657 109.104,84.784 109.041,84.848 108.914,84.848 108.85,84.911 108.85,84.975 108.85,87.55 v3(108.9,87.6) ; v3(111.93,105.755) 111.93,106.595 U3.46@112.843,107.508
  Signal 1 w0.127: v3(108.9,87.6) 108.9,95.125 111.992,98.217 111.992,101.918 111.93,101.98 v3(111.93,105.755)
LCD_R4: J1.31 U3.41 | length 63.6
  Top Layer w0.127: J1.31@106.675,62.775 106.71,62.81 106.71,69.5 106.71,69.541 106.773,69.605 106.9,69.605 106.964,69.668 106.964,69.795 106.9,69.859 106.773,69.859 106.71,69.922 106.71,70.049 106.773,70.113 106.9,70.113 106.964,70.176 106.964,70.303 106.9,70.367 106.773,70.367 106.71,70.43 106.71,70.557 106.773,70.621 106.9,70.621 106.964,70.684 106.964,70.811 106.9,70.875 106.773,70.875 106.71,70.938 106.71,71.065 106.773,71.129 106.9,71.129 106.964,71.192 106.964,71.319 106.9,71.383 106.773,71.383 106.71,71.446 106.71,71.573 106.773,71.637 106.9,71.637 106.964,71.7 106.964,71.827 106.9,71.891 106.773,71.891 106.71,71.954 106.71,72.081 106.773,72.145 106.9,72.145 106.964,72.208 106.964,72.335 106.9,72.399 106.773,72.399 106.71,72.462 106.71,72.589 106.773,72.653 106.9,72.653 106.964,72.716 106.964,72.843 106.9,72.907 106.773,72.907 106.71,72.97 106.71,73.097 106.773,73.161 106.9,73.161 106.964,73.224 106.964,73.351 106.9,73.415 106.773,73.415 106.71,73.478 106.71,73.605 106.773,73.669 106.9,73.669 106.964,73.732 106.964,73.859 106.9,73.923 106.773,73.923 106.71,73.986 106.71,74.113 106.773,74.177 106.9,74.177 106.964,74.24 106.964,74.367 106.9,74.431 106.773,74.431 106.71,74.494 106.71,74.621 106.773,74.685 106.9,74.685 106.964,74.748 106.964,74.875 106.9,74.939 106.773,74.939 106.71,75.002 106.71,75.129 106.773,75.193 106.9,75.193 106.964,75.256 106.964,75.383 106.9,75.447 106.773,75.447 106.71,75.51 106.71,75.637 106.773,75.701 106.9,75.701 106.964,75.764 106.964,75.891 106.9,75.955 106.71,75.955 106.579,75.955 106.516,76.018 106.516,76.145 106.579,76.209 106.71,76.209 106.9,76.209 106.964,76.272 106.964,76.399 106.9,76.463 106.71,76.463 106.519,76.463 106.456,76.526 106.456,76.653 106.519,76.717 106.71,76.717 106.9,76.717 106.964,76.78 106.964,76.907 106.9,76.971 106.71,76.971 106.519,76.971 106.456,77.034 106.456,77.161 106.519,77.225 106.71,77.225 106.9,77.225 106.964,77.288 106.964,77.415 106.9,77.479 106.71,77.479 106.519,77.479 106.456,77.542 106.456,77.669 106.519,77.733 106.71,77.733 106.9,77.733 106.964,77.796 106.964,77.923 106.9,77.987 106.71,77.987 106.519,77.987 106.456,78.05 106.456,78.177 106.519,78.241 106.71,78.241 106.9,78.241 106.964,78.304 106.964,78.431 106.9,78.495 106.71,78.495 106.519,78.495 106.456,78.558 106.456,78.685 106.519,78.749 106.71,78.749 106.9,78.749 106.964,78.812 106.964,78.939 106.9,79.003 106.71,79.003 106.519,79.003 106.456,79.066 106.456,79.193 106.519,79.257 106.71,79.257 106.9,79.257 106.964,79.32 106.964,79.447 106.9,79.511 106.71,79.511 106.519,79.511 106.456,79.574 106.456,79.701 106.519,79.765 106.71,79.765 106.9,79.765 106.964,79.828 106.964,79.955 106.9,80.019 106.71,80.019 106.519,80.019 106.456,80.082 106.456,80.209 106.519,80.273 106.71,80.273 106.9,80.273 106.964,80.336 106.964,80.463 106.9,80.527 106.71,80.527 106.519,80.527 106.456,80.59 106.456,80.717 106.519,80.781 106.71,80.781 106.9,80.781 106.964,80.844 106.964,80.971 106.9,81.035 106.71,81.035 106.519,81.035 106.456,81.098 106.456,81.225 106.519,81.289 106.71,81.289 106.9,81.289 106.964,81.352 106.964,81.479 106.9,81.543 106.71,81.543 106.519,81.543 106.456,81.606 106.456,81.733 106.519,81.797 106.71,81.797 106.9,81.797 106.964,81.86 106.964,81.987 106.9,82.051 106.71,82.051 106.519,82.051 106.456,82.114 106.456,82.241 106.519,82.305 106.71,82.305 106.9,82.305 106.964,82.368 106.964,82.495 106.9,82.559 106.71,82.559 106.519,82.559 106.456,82.622 106.456,82.749 106.519,82.813 106.71,82.813 106.9,82.813 106.964,82.876 106.964,83.003 106.9,83.067 106.71,83.067 106.519,83.067 106.456,83.13 106.456,83.257 106.519,83.321 106.646,83.321 106.71,83.384 106.71,83.575 106.71,83.702 108.325,85.317 v3(108.325,86.45) ; v3(111.299,102.598) 111.351,102.65 111.521,102.65 U3.41@114.611,105.74
  Signal 1 w0.127: v3(108.325,86.45) 108.325,94.95 111.125,97.75 111.125,98.782 110.957,98.949 110.957,102.183 111.299,102.524 v3(111.299,102.598)
LCD_R5: J1.30 U3.101 | length 62.5
  Top Layer w0.127: U3.101@91.1,106.801 91.723,106.177 91.923,106.177 v3(91.975,106.125) ; J1.30@106.1,62.7 J1.30@106.175,62.775 v3(106.175,64)
  Signal 2 w0.127: v3(96.025,66.4) 96.042,66.383 98.567,66.383 99.362,65.587 99.407,65.543 99.497,65.543 99.587,65.632 99.677,65.632 99.767,65.543 99.767,65.453 99.632,65.318 99.497,65.183 99.497,65.094 99.587,65.004 99.677,65.004 99.767,65.094 99.856,65.094 99.987,64.962 100.95,64 v3(106.175,64)
  Bottom Layer w0.127: v3(91.975,106.125) 90.368,104.517 90.368,95.675 89.85,95.158 89.85,87.649 96.2,81.299 96.2,79.267 96.2,79.14 96.2,78.949 96.137,78.886 95.756,78.886 95.692,78.822 95.692,78.695 95.756,78.632 96.2,78.632 96.31,78.632 96.373,78.568 96.373,78.441 96.31,78.378 96.2,78.378 95.756,78.378 95.692,78.314 95.692,78.187 95.756,78.124 96.2,78.124 96.31,78.124 96.373,78.06 96.373,77.933 96.31,77.87 96.2,77.87 95.756,77.87 95.692,77.806 95.692,77.679 95.756,77.616 96.137,77.616 96.2,77.552 96.2,77.362 96.2,77.211 96.2,77.084 96.2,76.893 96.264,76.83 96.31,76.83 96.373,76.766 96.373,76.639 96.31,76.576 96.2,76.576 95.756,76.576 95.692,76.512 95.692,76.385 95.756,76.322 96.2,76.322 96.31,76.322 96.373,76.258 96.373,76.131 96.31,76.068 96.2,76.068 96.2,73.974 96.025,73.799 v3(96.025,66.4)
LCD_R6: J1.29 U3.47 | length 64.1
  Top Layer w0.127: J1.29@105.675,62.775 105.658,62.792 105.658,64.994 105.925,65.261 105.925,66.8 105.925,66.82 105.988,66.883 106.369,66.883 106.433,66.947 106.433,67.074 106.369,67.137 105.988,67.137 105.925,67.201 105.925,67.328 105.988,67.391 106.369,67.391 106.433,67.455 106.433,67.582 106.369,67.645 105.988,67.645 105.925,67.709 105.925,67.836 105.988,67.899 106.369,67.899 106.433,67.963 106.433,68.09 106.369,68.153 105.988,68.153 105.925,68.217 105.925,68.344 105.988,68.407 106.369,68.407 106.433,68.471 106.433,68.598 106.369,68.661 105.988,68.661 105.925,68.725 105.925,68.852 105.988,68.915 106.369,68.915 106.433,68.979 106.433,69.106 106.369,69.169 105.988,69.169 105.925,69.233 105.925,69.36 105.988,69.423 106.369,69.423 106.433,69.487 106.433,69.614 106.369,69.677 105.988,69.677 105.925,69.741 105.925,69.868 105.988,69.931 106.369,69.931 106.433,69.995 106.433,70.122 106.369,70.185 105.988,70.185 105.925,70.249 105.925,70.376 105.988,70.439 106.369,70.439 106.433,70.503 106.433,70.63 106.369,70.693 105.988,70.693 105.925,70.757 105.925,70.884 105.988,70.947 106.369,70.947 106.433,71.011 106.433,71.138 106.369,71.201 105.988,71.201 105.925,71.265 105.925,71.392 105.988,71.455 106.369,71.455 106.433,71.519 106.433,71.646 106.369,71.709 105.988,71.709 105.925,71.773 105.925,71.9 105.988,71.963 106.369,71.963 106.433,72.027 106.433,72.154 106.369,72.217 105.988,72.217 105.925,72.281 105.925,72.408 105.988,72.471 106.369,72.471 106.433,72.535 106.433,72.662 106.369,72.725 105.988,72.725 105.925,72.789 105.925,72.916 105.988,72.979 106.369,72.979 106.433,73.043 106.433,73.17 106.369,73.233 105.988,73.233 105.925,73.297 105.925,73.424 105.988,73.487 106.369,73.487 106.433,73.551 106.433,73.678 106.369,73.741 105.988,73.741 105.925,73.805 105.925,73.932 105.988,73.995 106.369,73.995 106.433,74.059 106.433,74.186 106.369,74.249 105.988,74.249 105.925,74.313 105.925,74.44 105.988,74.503 106.369,74.503 106.433,74.567 106.433,74.694 106.369,74.757 105.988,74.757 105.925,74.821 105.925,74.948 105.988,75.011 106.369,75.011 106.433,75.075 106.433,75.202 106.369,75.265 105.988,75.265 105.925,75.329 105.925,75.456 105.988,75.519 106.369,75.519 106.433,75.583 106.433,75.71 106.369,75.773 105.988,75.773 105.925,75.837 105.925,75.9 105.925,76.25 105.892,76.283 105.892,77.214 105.358,77.749 105.358,83.033 107.68,85.355 v3(107.68,85.404) ; v3(111.275,105.725) 111.275,106.56 112.49,107.774 U3.47@112.49,107.861
  Signal 1 w0.127: v3(107.68,85.404) 107.68,94.83 110.848,97.998 110.848,98.667 110.68,98.835 110.68,104.455 111.275,105.05 v3(111.275,105.725)
LCD_R7: J1.28 U3.91 | length 62.8
  Top Layer w0.127: U3.91@94.802,110.255 96.348,108.709 96.348,108.452 96.332,108.436 96.332,108.333 v3(96.28,108.28) ; v3(103.205,87.654) 103.205,84.425 103.205,84.362 103.269,84.298 103.65,84.298 103.713,84.235 103.713,84.108 103.65,84.044 103.269,84.044 103.205,83.981 103.205,83.854 103.269,83.79 103.65,83.79 103.713,83.727 103.713,83.6 103.65,83.536 103.269,83.536 103.205,83.473 103.205,83.346 103.269,83.282 103.65,83.282 103.713,83.219 103.713,83.092 103.65,83.028 103.269,83.028 103.205,82.965 103.205,82.838 103.269,82.774 103.65,82.774 103.713,82.711 103.713,82.584 103.65,82.52 103.269,82.52 103.205,82.457 103.205,82.33 103.269,82.266 103.65,82.266 103.713,82.203 103.713,82.076 103.65,82.012 103.269,82.012 103.205,81.949 103.205,81.822 103.269,81.758 103.65,81.758 103.713,81.695 103.713,81.568 103.65,81.504 103.269,81.504 103.205,81.441 103.205,81.314 103.269,81.25 103.65,81.25 103.713,81.187 103.713,81.06 103.65,80.996 103.269,80.996 103.205,80.933 103.205,80.806 103.269,80.742 103.65,80.742 103.713,80.679 103.713,80.552 103.65,80.488 103.269,80.488 103.205,80.425 103.205,80.298 103.269,80.234 103.65,80.234 103.713,80.171 103.713,80.044 103.65,79.98 103.269,79.98 103.205,79.917 103.205,79.79 103.269,79.726 103.65,79.726 103.713,79.663 103.713,79.536 103.65,79.472 103.269,79.472 103.205,79.409 103.205,79.282 103.269,79.218 103.65,79.218 103.713,79.155 103.713,79.028 103.65,78.964 103.269,78.964 103.205,78.901 103.205,78.774 103.269,78.71 103.65,78.71 103.713,78.647 103.713,78.52 103.65,78.456 103.269,78.456 103.205,78.393 103.205,78.225 103.205,78.105 105.648,75.663 105.648,65.376 105.175,64.903 J1.28@105.175,62.775
  Signal 2 w0.127: v3(96.28,108.28) 96.52,108.28 102.022,102.778 102.022,93.59 102.426,93.186 102.426,89.874 103.205,89.095 v3(103.205,87.654)
LCD_RESET: J1.44 R1.2 U3.43 | length 66
  Top Layer w0.127: v2(112.75,105.825) 113.282,105.825 U3.43@113.904,106.447 ; J1.44@113.175,62.775 113.175,64.525 113.2,64.55
  Top Layer w0.305: 113.2,64.55 113.2,67.325 ; v2(114.65,92.55) 112.923,90.823 112.923,67.827 113.2,67.55 113.2,67.325 ; R1.2@121.475,65.225 121.475,66.25 118.775,68.95 114.825,68.95 113.2,67.325
  Signal 1 w0.305: v2(112.75,105.825) 112.778,105.797 113.209,105.797 113.356,105.65 114.656,105.65 121.899,98.408 121.899,96.724 119.889,94.714 116.814,94.714 v2(114.65,92.55)
LCD_U/D: J1.40 U3.76 | length 63
  Top Layer w0.127: v3(99.375,117.5) 98.882,117.008 98.882,116.511 99.186,116.207 99.284,116.207 99.852,115.64 U3.76@99.939,115.64 ; J1.40@111.175,62.775 111.175,67.725 112.1,68.65 v3(112.1,85)
  Signal 2 w0.127: v3(99.375,117.5) 99.917,116.958 99.917,114.226 100.397,113.746 100.397,107.478 103.102,104.773 103.102,95.023 112.1,86.025 v3(112.1,85)
LCD_VS: J1.10 U3.40 | length 62.1
  Top Layer w0.127: v3(96.15,64.45) 96.175,64.425 J1.10@96.175,62.775 ; v3(109.05,102.275) 110.89,102.275 111.085,102.08 111.513,102.08 111.708,102.275 111.853,102.275 U3.40@114.965,105.386
  Signal 1 w0.127: v3(105.375,77) 105.358,77.017 105.358,79.608 105.375,79.625 105.375,79.81 105.438,79.873 105.566,79.873 105.629,79.937 105.629,80.064 105.566,80.127 105.375,80.127 105.227,80.127 105.163,80.191 105.163,80.318 105.227,80.381 105.375,80.381 105.566,80.381 105.629,80.445 105.629,80.572 105.566,80.635 105.375,80.635 105.227,80.635 105.163,80.699 105.163,80.826 105.227,80.889 105.375,80.889 105.566,80.889 105.629,80.953 105.629,81.08 105.566,81.143 105.375,81.143 105.227,81.143 105.163,81.207 105.163,81.334 105.227,81.397 105.311,81.397 105.375,81.461 105.375,81.651 105.375,81.778 105.375,81.882 105.718,82.225 105.718,82.345 105.654,82.409 105.527,82.409 105.463,82.472 105.463,82.599 105.527,82.663 105.718,82.663 105.908,82.663 105.972,82.726 105.972,82.853 105.908,82.917 105.718,82.917 105.527,82.917 105.463,82.98 105.463,83.107 105.527,83.171 105.718,83.171 105.908,83.171 105.972,83.234 105.972,83.361 105.908,83.425 105.718,83.425 105.527,83.425 105.463,83.488 105.463,83.615 105.527,83.679 105.718,83.679 105.908,83.679 105.972,83.742 105.972,83.869 105.908,83.933 105.718,83.933 105.527,83.933 105.463,83.996 105.463,84.123 105.527,84.187 105.718,84.187 105.908,84.187 105.972,84.25 105.972,84.377 105.908,84.441 105.718,84.441 105.527,84.441 105.463,84.504 105.463,84.631 105.527,84.695 105.718,84.695 105.908,84.695 105.972,84.758 105.972,84.885 105.908,84.949 105.718,84.949 105.527,84.949 105.463,85.012 105.463,85.139 105.527,85.203 105.718,85.203 105.908,85.203 105.972,85.266 105.972,85.393 105.908,85.457 105.718,85.457 105.527,85.457 105.463,85.52 105.463,85.647 105.527,85.711 105.718,85.711 105.908,85.711 105.972,85.774 105.972,85.901 105.908,85.965 105.718,85.965 105.561,85.965 105.498,86.028 105.498,86.155 105.561,86.219 105.718,86.219 105.908,86.219 105.972,86.282 105.972,86.409 105.908,86.473 105.781,86.473 105.718,86.536 105.718,86.6 105.718,87.144 105.531,87.331 105.531,87.874 105.132,88.272 105.132,97.433 109.05,101.35 v3(109.05,102.275)
  Bottom Layer w0.127: v3(96.15,64.45) 96.332,64.45 105.648,73.766 105.648,76.72 105.375,76.993 v3(105.375,77)
LE_HET: U3.7 U14.3
LE_REF: U3.8 U12.3
MOSI_HET: U3.27 U12.2 U14.2
Net*1_1: *1.1 J4.1 | length 3.3
  Top Layer w0.305: J4.1@65.5,111.925 65.598,112.023 67.123,112.023 *1.1@68.3,113.2
Net*6_1: *6.1 RN5.6 | length 3.2
  Top Layer w0.305: *6.1@183.825,54.95 183.902,55.027 183.902,57.046 184.204,57.347 184.352,57.347 184.575,57.57 RN5.6@184.8,57.57
Net*7_1: *7.1 MD1.25 | length 3.3
  Top Layer w0.254: MD1.25@88.165,118.8 88.265,118.9 *7.1@91.4,118.9
Net*10_1: *10.1 C29.1 R14.1 R16.2 U7.4 | length 32.9
  Top Layer w0.305: v2(138.1,74.5) 138.128,74.528 138.128,74.834 138.536,75.242 139.017,75.242 U7.4@139.025,75.25 ; R16.2@143.375,62.125 143.375,62.25 144.75,63.625 144.75,65.323 146.65,67.223 146.65,68.425 147.225,69 147.357,69 147.5,69.143 147.5,69.975 C29.1@147.825,70.3
  Top Layer w0.9: R16.2@143.375,62.125 143.375,62 143.525,61.85 143.725,61.85 146.125,59.45 R14.1@146.125,59.325 146.112,59.313 146.112,56.813 *10.1@146.1,56.8 ; C29.1@147.825,70.3 147.875,70.25 v2(148.95,70.25)
  Signal 1 w0.305: v2(138.1,74.5) 143.65,68.95 147.65,68.95 v2(148.95,70.25)
Net*23_1: *23.1 U13.9 | length 7.8
  Top Layer w0.127: *23.1@225.004,112.223 225.004,115.598 cw(c225.904,115.598) 225.904,116.498 ccw(c225.904,117.748) 227.154,117.748 U13.9@227.154,118.798
NetC8_1: C8.1 U3.24 Y1.1 | length 14.6
  Top Layer w0.127: U3.24@111.783,97.432 111.783,97.417 112.625,96.575
  Top Layer w0.254: 112.625,96.575 117.475,91.725 118.825,91.725 Y1.1@119.675,92.575
  Top Layer w0.9: Y1.1@119.675,92.575 119.688,92.575 122.462,89.801 C8.1@122.474,89.801
NetC9_1: C9.1 U3.23 Y1.2 | length 14.9
  Top Layer w0.127: U3.23@111.429,97.078 111.497,97.078 112.325,96.25
  Top Layer w0.254: 112.325,96.25 117.175,91.4 117.175,90.075 Y1.2@116.225,89.125
  Top Layer w0.9: Y1.2@116.225,89.125 116.225,89.043 119.024,86.244 C9.1@119.024,86.126
NetC22_1: C22.1 U6.6 | length 7.8
  Top Layer w0.305: C22.1@147.075,130.1 v2(147.075,130.95) ; U6.6@152.325,127.775 v2(152.325,128.475)
  Signal 1 w0.305: v2(147.075,130.95) 149.85,130.95 v2(152.325,128.475)
NetC22_2: C22.2 L1.1 U6.2 | length 7.8
  Top Layer w0.305: L1.1@143.95,126.35 144.425,126.825 U6.2@150.025,126.825 149.966,126.884 U6.2@149.184,126.884 ; C22.2@147.075,128.4 C22.2@147.523,128.848
NetC30_1: C30.1 U7.20 | length 3.2
  Top Layer w0.305: C30.1@141.05,80.425 141.498,79.977 141.498,78.935 141.75,78.682 U7.20@141.75,77.475
NetC30_2: C30.2 U7.19 | length 3.2
  Top Layer w0.305: U7.19@142.25,77.475 142.25,78.875 142.302,78.927 142.302,79.977 C30.2@142.75,80.425
NetC32_1: C32.1 U8.6 | length 6.9
  Top Layer w0.305: C32.1@167.55,113.625 167.6,113.675 v2(167.6,114.725) ; v2(169.7,118.8) 170.308,118.8 170.45,118.942 U8.6@170.45,118.95
  Signal 1 w0.305: v2@167.5,114.7 167.5,116.6 v2(169.7,118.8)
NetC32_2: C32.2 L3.1 U8.2
NetC39_1: C39.1 R22.2 | length 3.7
  Top Layer w0.9: C39.1@132.35,80.4 132.35,80.3 132.5,80.15 132.55,80.15 134.8,77.9 R22.2@134.8,77.775
NetC40_1: C40.1 D3.3 | length 9.3
  Top Layer w0.305: C40.1@139.075,82.15 139.425,81.8 143.475,81.8 144.75,80.525 D3.3@144.75,77.55
NetC42_1: C42.1 R28.1 R30.2 U9.3
NetC66_1: C66.1 C67.2 R43.2 | length 3.9
  Top Layer w0.9: C66.1@224,66.475 224,67.55 ; C67.2@224,68.525 224,67.55 ; R43.2@225.85,67.5 224.05,67.5 cw(c224.05,67.55) 224,67.55
NetC66_2: C66.2 J5.1 | length 5
  Top Layer w0.127: J5.1@224,60 C66.2@224,65.025
NetC67_1: C67.1 U*2.13 | length 3.8
  Top Layer w0.127: C67.1@224,69.975 U*2.13@224,73.825
NetC76_1: C76.1 U12.12 | length 3.6
  Top Layer w0.254: C76.1@210,113.975 U12.12@210,117.55
NetC76_2: C76.2 L5.2 U*1.13 | length 5.9
  Top Layer w0.127: L5.2@209.8,111.25 209.804,111.246 U*1.13@209.804,105.323